# KiCad board rcbus-ymf262-panel.kicad_pcb (continued)
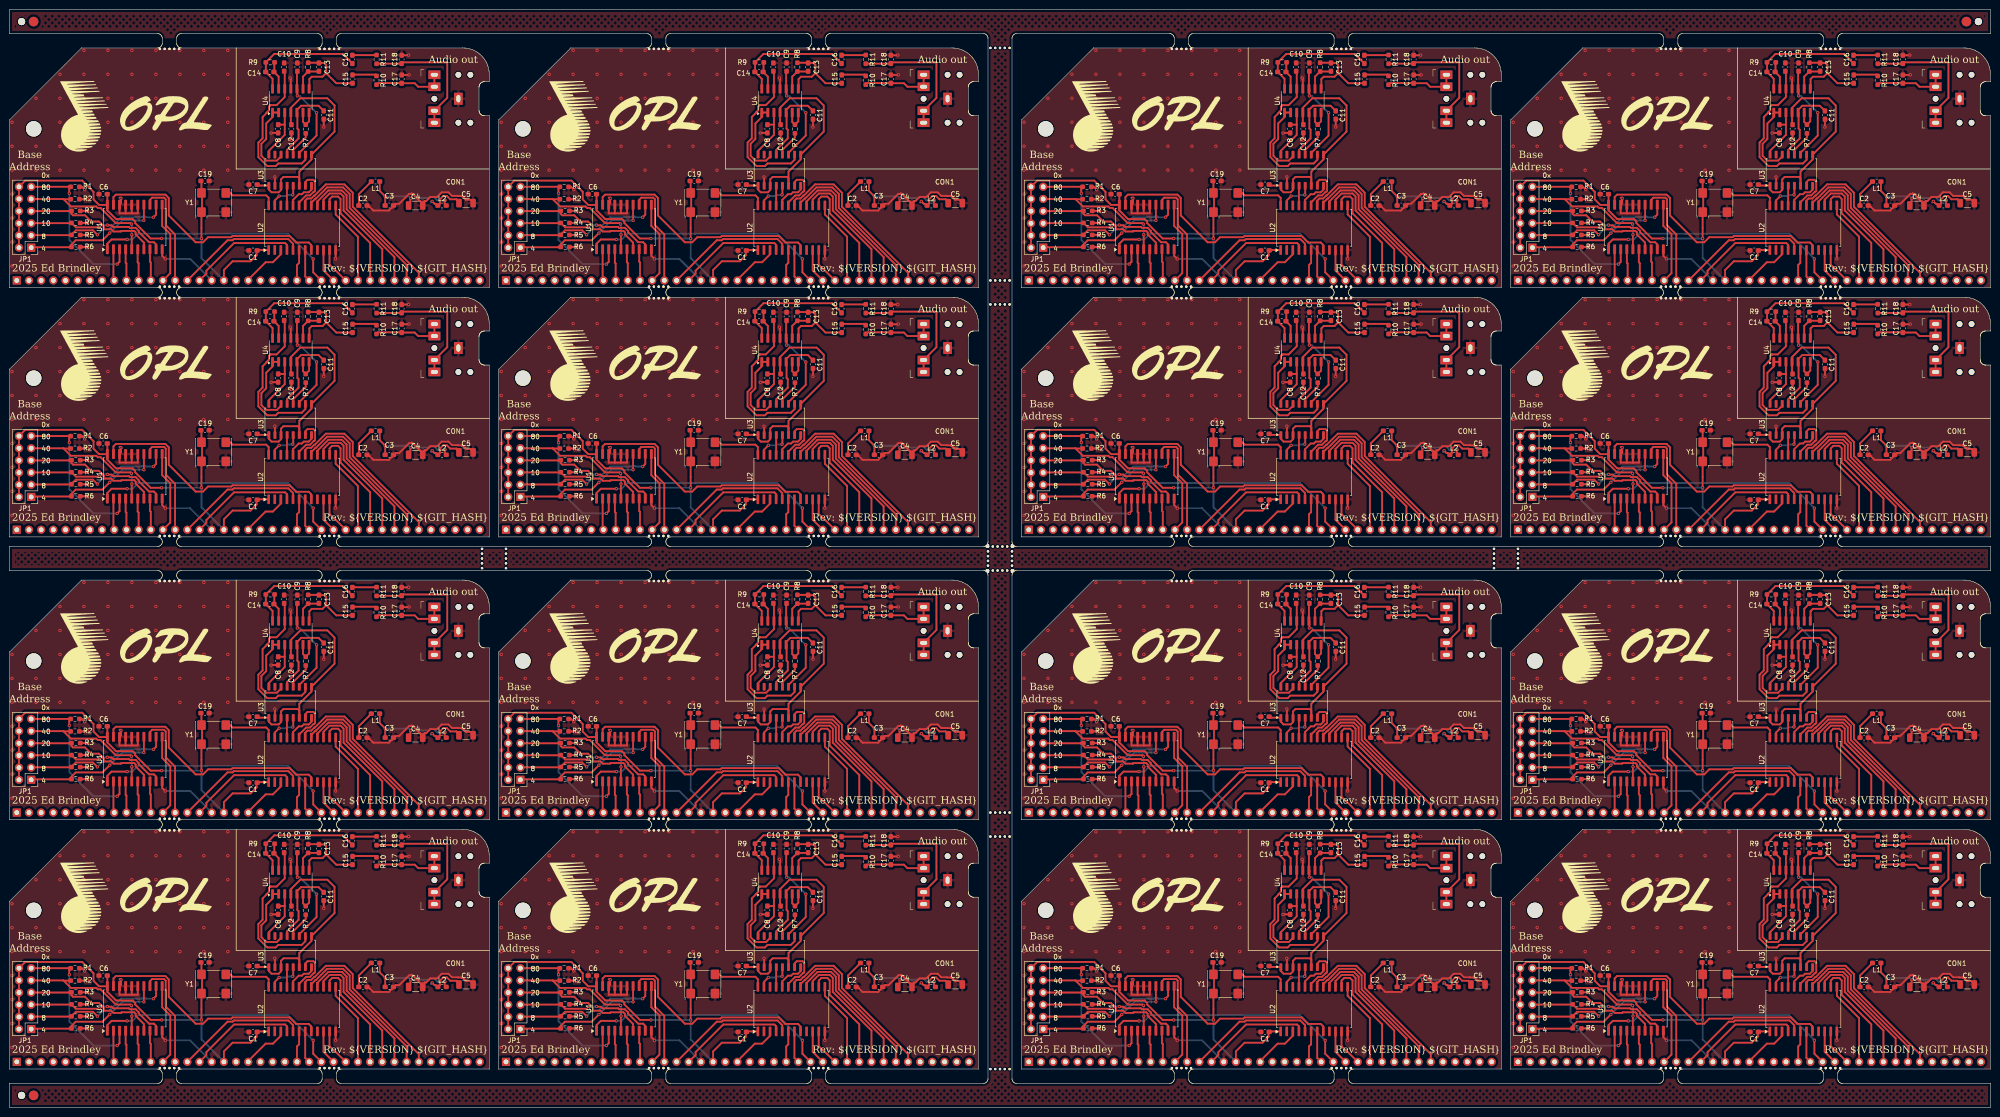
[diagram p0: board, top side]
## Routing (per net, layer and track width the routed paths; a pad name or vN(x,y) marks a point on that pad's centre or on a via; arc(x,y) is an arc through that point) (continued)
Board_2-+5VA: length 56.5
  Front w0.381: C12#2.1 269.64,205.11 U4.4 269.64,208.52 271.61,210.5 277.25,210.5 278.75,209 278.75,203.56 U3#4.9 273.95,197.75 271.4,195.21 U3#4.6 271.4,193.8 271.11,194.1 268.1,194.1 267.6,193.6 U3#4.3 267.6,191.38 267.1,190.89 265.62,190.89 265.05,191.45 U3#4.1 265,192.3 262.81,192.3 C7#3.1 ; C5#5.1 304.16,189.42 304.16,189.43 302.87,189.43 302.17,190.12 301.42,190.12 300.72,189.42 300.72,188.57 300.71,188.56 L2#4.1 299.81,188.5 299.59,188.5 v1(299.1,189)
  Back w0.381: v1(299.1,189) 298.82,188.72
Board_2-/A0: length 23
  Front w0.381: P1#5.16 252.02,173.92 252.02,174.52 257.8,180.3 268.45,180.3 268.83,179.93 U2.4
Board_2-/A1: length 27.3
  Front w0.381: P1#5.15 256.45,180.89 257.49,180.89 257.74,181.14 269.12,181.14 270.1,180.16 U2.5
Board_2-/A2: length 22.4
  Front w0.381: U1#14.13 240.27,189.33 240.72,189.77 243.21,189.77 243.56,189.43 243.56,184.04 245.5,182.09 245.5,172.52 P1#5.14
Board_2-/A3: length 17.1
  Front w0.381: P1#5.13 244.5,174.02 244.5,182.19 242.8,183.89 242.8,188.29
Board_2-/A4: length 6.6
  Front w0.381: P1#5.12 240.44,176.26 240.27,176.43 240.27,178.94 240.3,178.97
Board_2-/A5: length 6.6
  Front w0.381: P1#5.11 237.9,176.1 237.7,176.3 237.7,178.97
Board_2-/A6: length 6.6
  Front w0.381: P1#5.10 235.36,176.04 235.2,176.2 235.2,178.99
Board_2-/A7: length 6.6
  Front w0.381: P1#5.9 232.65,172.67 U1#14.2
Board_2-/AUDIO_CH1: length 33.2
  Front w0.381: C10#12.1 268.37,216.02 U4.12 268.37,210.77 266.67,209.07 265.44,209.07 265.44,209.07 265.41,209.07 265.41,209.06 265.38,209.06 265.37,209.05 265.36,209.05 265.34,209.03 265.33,209.03 265.08,208.78 265.08,208 264.6,207.52 264.6,207.48 264.59,207.47 264.59,207.44 263.75,206.59 263.75,202.15 262.87,201.26 262.87,198.24 264.74,196.37 266.48,196.37 267.02,196.9 271.9,196.9 272.67,197.68 U3#4.10
Board_2-/AUDIO_CH2: length 20.9
  Front w0.381: C9#8.1 270.91,216.05 U4.10 271,212.38 v1(271,211) ; v1(275,207.5) 275,202.72 271.4,199.13 U3#4.11
  Back w0.381: v1(271,211) 271.5,211 v1(275,207.5)
Board_2-/CLK: length 10.9
  Front w0.381: 256.38,191.35 257.48,190.25 264.5,190.25 265.01,189.74 U2.24
Board_2-/D0: length 7.2
  Front w0.381: P1#5.27 276.45,174.6 U2.10
Board_2-/D1: length 7.8
  Front w0.381: 277.7,178.84 277.7,175.79 278.67,174.81 278.77,174.81 P1#5.28
Board_2-/D2: length 17.6
  Front w0.381: P1#5.29 283.62,181.63 278.99,186.27 U2.13
Board_2-/D3: length 23.6
  Front w0.381: U2.14 277.72,189.47 278.25,190 279.5,190 280,189.5 280,186.5 286.16,180.34 P1#5.30
Board_2-/D4: length 27
  Front w0.381: U2.15 276.45,189.35 277.73,190.64 280.01,190.64 280.63,190.01 280.63,187.1 288.7,179.03 P1#5.31
Board_2-/D5: length 30.2
  Front w0.381: U2.16 275.17,188.98 277.46,191.27 280.28,191.27 281.27,190.28 281.27,187.36 291.24,177.39 P1#5.32
Board_2-/D6: length 33.4
  Front w0.381: P1#5.33 293.78,175.75 281.91,187.62 281.91,190.54 280.54,191.91 277.2,191.91 274.89,189.6 274.79,189.6 273.9,188.71 U2.17
Board_2-/D7: length 37
  Front w0.381: P1#5.34 296.32,174.11 282.54,187.89 282.54,190.8 280.8,192.54 276.94,192.54 274.63,190.23 274.52,190.23 273.89,189.6 273.08,189.6 272.63,189.15 U2.18
Board_2-/DAC_CLK: length 7.2
  Front w0.381: v1(267.2,190.1) 266.28,189.19 U2.23 ; U3#4.5 270.13,190.45 v1(270.04,190.36)
  Back w0.381: v1(270.04,190.36) 269.98,190.3 268.93,190.3 268.73,190.1 v1(267.2,190.1)
Board_2-/DOAB: length 4.1
  Front w0.381: U2.21 268.83,192.21 U3#4.4
Board_2-/L: length 18.1
  Front w0.381: R8#2.2 275.45,217.91 C13#12.1 276.64,217.86 277,217.5 277,215.75 ; C15.1 279.11,213.64 277,215.75 ; 277,215.75 276.25,215 274,215 273.5,214.5 273.5,212.53 U4.8
Board_2-/R: length 25.7
  Front w0.381: C16#4.1 280.46,219.75 266.17,219.75 R9#4.2 264.42,216.04 C14#2.2 265.83,214.56 U4.14
Board_2-/SMPAC: length 6.7
  Front w0.381: U3#4.8 273.95,191.45 273.38,190.89 272.34,190.89 271.94,190.49 271.28,190.49 270.1,189.3 U2.20
Board_2-/SMPBD: length 10.1
  Front w0.381: U3#4.7 272.67,193.05 273.12,193.5 274.35,193.5 274.69,193.15 274.69,191.2 274.5,191 274.4,191 273.63,190.23 272.82,190.23 271.37,188.78 U2.19
Board_2-/~{CS}: length 51.7
  Front w0.381: U2.8 273.9,179.9 273.38,180.42 270.73,180.42 269.38,181.77 257.47,181.77 257.22,181.52 252.38,181.52 251.33,180.46 249.79,180.46 244.19,186.06 244.19,189.69 243.47,190.41 233.15,190.41 232.65,189.9 U1#14.19
Board_2-/~{IORQ}: length 52.4
  Front w0.381: U1#14.1 231.38,180.17 232.26,181.05 v1(235.5,181.05) ; P1#5.26 274.3,174.2 v1(274.3,177)
  Back w0.381: v1(274.3,177) 269.05,182.25 248.11,182.25 248.08,182.21 247.42,182.21 247.39,182.25 237.8,182.25 236.6,181.05 v1(235.5,181.05)
Board_2-/~{RD}: length 6.7
  Front w0.381: P1#5.25 272.63,173.33 U2.7
Board_2-/~{RESET}: length 9.8
  Front w0.381: 267.5,178.8 267.55,178.74 267.55,177.96 265.9,176.3 264.39,176.3 260.76,172.68
Board_2-/~{WR}: length 6.5
  Front w0.381: U2.6 271.37,176.17 270.92,175.72 P1#5.24
Board_2-GND: length 76.5
  Front w0.381: C17#13.2 294.26,215.36 v1(294.3,215.4) ; R4#8.2 v1(227.2,184.5) ; R5#9.2 227.19,181.99 v1(227.2,182) ; C12#2.2 v1(269.75,201.75) ; U1#14.17 235.19,186.51 235.2,186.5 ; R3#6.2 227.19,187.01 v1(227.2,187) ; C2#7.2 286.06,187.85 286.07,187.85 286.83,187.09 290.11,187.09 290.68,187.66 290.68,187.67 C3#10.2 291.52,188.5 291.53,188.51 292.24,188.51 294.28,190.55 294.68,190.55 294.81,190.67 294.94,190.55 295.04,190.55 296.58,189.01 296.66,189.01 296.68,188.99 C4#11.2 297.52,189.02 297.52,189.03 297.54,189.06 297.87,189.06 298.72,189.91 300.13,189.91 301.1,190.88 302.49,190.88 303.23,190.14 304.45,190.14 304.49,190.11 305.25,190.11 305.26,190.1 305.3,190.1 305.31,190.09 305.35,190.09 305.38,190.06 305.39,190.06 305.42,190.03 305.43,190.03 306.13,189.33 307.08,189.33 C5#5.2 ; U4.11 269.64,214.61 v1(269.5,214.75) ; v1(266.3,194.1) 266.33,194.08 U3#4.2 ; 236.5,186.5 237.73,186.5 237.73,187.84 ; 236.5,186.5 235.2,186.5 ; 236.5,186.5 236.46,186.54 U1#14.16 ; v1(243.46,177) 242.81,177.64 U1#14.10 ; 233.92,187.71 233.92,186.5 235.2,186.5 ; R2#8.2 227.14,189.44 v1(227.2,189.5) ; v1(226.64,191.44) 226.06,192.03 R1#5.2 ; 253.67,172.5 P1#5.17 ; C18#13.2 294.16,219.48 v1(294.2,219.51) ; C8#12.2 265.52,203.28 v1(265.5,203.25) ; R6#4.2 227.18,179.48 v1(227.2,179.5) ; U2.12 v1(278.99,177) ; 233.92,189.77 234.23,189.77 v1(234.23,189.62) 234.23,188.61 U1#14.18 ; C11#7.2 v1(276.5,204.5)
  Back w0.381: v1(243.46,177) 248.64,177 P1#5.17
  vias: v1(211.5,205.5) v1(211.5,200.5) v1(211.5,195.5) v1(211.5,190.5) v1(211.5,185.5) v1(211.5,180.5) v1(211.5,175.5) v1(216.5,210.5) v1(216.5,200.5) v1(216.5,195.5) v1(221.5,215.5) v1(221.5,210.5) v1(221.5,205.5) v1(221.5,200.5) v1(221.5,195.5) v1(226.5,220.5) v1(226.5,215.5) v1(226.5,210.5) v1(226.5,205.5) v1(226.5,200.5) v1(226.5,195.5) v1(231.5,220.5) v1(231.5,215.5) v1(231.5,210.5) v1(231.5,205.5) v1(231.5,200.5) v1(231.5,195.5) v1(236.5,220.5) v1(236.5,215.5) v1(236.5,210.5) v1(236.5,205.5) v1(236.5,200.5) v1(236.5,195.5) v1(241.5,220.5) v1(241.5,215.5) v1(241.5,210.5) v1(241.5,205.5) v1(241.5,200.5) v1(241.5,195.5) v1(246.5,220.5) v1(246.5,215.5) v1(246.5,210.5) v1(246.5,205.5) v1(246.5,200.5) v1(246.5,195.5) v1(251.5,220.5) v1(251.5,215.5) v1(251.5,210.5) v1(251.5,205.5) v1(251.5,200.5) v1(251.5,195.5) v1(256.5,220.5) v1(256.5,215.5) v1(256.5,210.5) v1(256.5,205.5) v1(256.5,200.5) v1(256.5,195.5)
Board_2-Net-(C3-Pad1): length 21.1
  Front w0.381: L2#4.2 301.71,188.6 301.71,189.12 v1(301.79,189.21) ; C4#11.1 294.57,189.02 294.57,189.54 v1(294.66,189.63) ; L1#5.1 288.17,191.18 v1(289.32,190.03) 289.32,188.52 289.41,188.42
  Back w0.381: v1(289.32,190.03) 294.26,190.03 v1(294.66,189.63) 298.44,189.63 298.72,189.91 299.47,189.91 300.18,189.21 v1(301.79,189.21)
Board_2-Net-(C15-Pad2): length 5.1
  Front w0.381: R10#3.1 287.22,215.44 282.58,215.44 C15.2
Board_2-Net-(C16-Pad2): length 4.5
  Front w0.381: 282.75,219.5 287.23,219.5
Board_2-Net-(C17-Pad1): length 15
  Front w0.381: R10#3.2 287.84,213.68 292.5,213.68 292.54,213.64 C17#13.1 295.46,213.64 296.2,212.91 CON1#5.TN CON1#5.T
Board_2-Net-(C18-Pad1): length 28
  Front w0.381: 287.8,217.73 292.45,217.73 ; CON1#5.R CON1#5.RN 302.25,210.59 302.25,218 292.99,218 C18#13.1
Board_2-Net-(JP1-Pin_1): length 28.7
  Front w0.381: U1#14.14 v1(239,185.03) ; 216.16,179.43 223.6,179.43 R6#4.1 223.9,180 224.78,180.88 230.36,180.88 v1(231.87,182.38)
  Back w0.381: v1(231.87,182.38) 234.53,185.05 236.92,185.05 236.94,185.03 v1(239,185.03)
Board_2-Net-(JP1-Pin_3): length 30.8
  Front w0.381: v1(229.31,182.03) 228.39,182.95 224.8,182.95 224.28,182.42 R5#9.1 223.6,181.94 215.56,181.94 JP1#10.3 ; v1(241,185.68) 241.54,186.22 U1#14.12
  Back w0.381: v1(229.31,182.03) 230.45,183.17 231.76,183.17 234.27,185.68 238.54,185.68 238.67,185.81 239.33,185.81 239.46,185.68 v1(241,185.68)
Board_2-Net-(JP1-Pin_5): length 29.4
  Front w0.381: v1(229.68,183.62) 229.64,183.58 224.82,183.58 R4#8.1 223.6,184.45 215.53,184.45 JP1#10.5 ; v1(231.37,184.05) 231.42,184 232.26,184 232.59,183.67 235.87,183.67 236.07,183.47 237.29,183.47 237.92,182.84 237.92,182.63 240.08,180.47 241.09,180.47 241.54,180.03 U1#14.9
  Back w0.381: v1(229.68,183.62) 230.1,184.05 v1(231.37,184.05)
Board_2-Net-(JP1-Pin_7): length 28.1
  Front w0.381: 239,179.6 239,180.4 237.29,182.11 237.29,182.54 236.99,182.84 234.34,182.84 234.21,182.71 232.65,182.71 232.19,183.17 230.71,183.17 230.63,183.25 230.63,183.78 229.62,184.79 228.02,184.79 226.72,186.09 224.21,186.09 223.9,186.4 R3#6.1 223.6,186.96 223.33,186.96 223.33,186.96 JP1#10.7
Board_2-Net-(JP1-Pin_9): length 29.9
  Front w0.381: 215.51,189.49 222.22,189.49 ; 222.22,189.49 222.27,189.44 R2#8.1 ; 222.22,189.49 223.77,187.93 229.08,187.93 229.38,187.63 229.97,187.63 233.14,184.46 236.2,184.46 v1(236.4,184.26) ; U1#14.5 236.46,182.03 v1(236.48,182.05)
  Back w0.381: v1(236.4,184.26) 236.48,184.17 v1(236.48,182.05)
Board_2-Net-(JP1-Pin_11): length 34.5
  Front w0.381: v1(233.44,175.9) 233.92,176.38 U1#14.3 ; R1#5.1 223.43,191.56 223.43,190.71 v1(223.46,190.69) ; 223.43,192.04 JP1#10.11
  Back w0.381: v1(223.46,190.69) 223.46,180.93 228.49,175.9 v1(233.44,175.9)
Board_2-Net-(U3-AOUT): length 16.9
  Front w0.381: C11#7.1 275.42,208.95 271.78,208.95 270.91,208.08 U4.5 271,207.43 271,204.19 271.25,203.94 271.25,202.14 268.87,199.75 U3#4.13
Board_2-Net-(U3-CV): length 11.5
  Front w0.381: C8#12.1 268.37,205 ; 268.37,205 U4.3 ; 268.37,205 268.37,202.86 265.05,199.55 U3#4.16
Board_2-Net-(U3-MP): length 16.3
  Front w0.381: 265.94,207.53 266.99,207.53 ; U3#4.14 267.6,198.37 266.73,197.51 264.5,197.51 263.5,198.5 263.5,201 264.5,202 264.5,205.25 265.83,206.58 U4.1
Board_2-Net-(U3-SWIN): length 5.5
  Front w0.381: U3#4.12 270.13,199.72 272.75,202.34 R7#15.1
Board_2-Net-(U4B--): length 5.6
  Front w0.381: U4.7 273.45,205.7 R7#15.2 272.18,205.57 U4.6
Board_2-Net-(U4C--): length 6.3
  Front w0.381: U4.9 272.18,215.02 273.25,216.09 275.45,216.09 C13#12.2
Board_2-Net-(U4D--): length 6
  Front w0.381: R9#4.1 266.2,217.72 266.2,216.08 C14#2.1 267.1,215.02 U4.13
Board_2-VCC: length 103.5
  Front w0.381: L1#5.2 286,192.7 283.82,190.52 283.82,188.15 C2#7.1 ; C6#8.1 231.38,190.48 U1#14.20 231.38,187.12 233.19,185.31 236.66,185.31 237.18,184.79 237.18,184.48 240.41,181.25 v1(242.71,181.25) ; 231.33,188.26 229.65,188.26 228.5,189.41 228.5,190.98 226.14,193.34 214.26,193.34 JP1#10.12 JP1#10.2 ; U2.1 262.71,178.85 C1.1 262.5,178.75 262.5,177.75 261.25,176.5 257.5,176.5 255.68,174.68 P1#5.18 ; 251.12,191.35 251.12,186.15 251,186.03 v1(251,181.25) ; C19#7.1 251,193.14 Y1#2.4
  Back w0.381: P1#5.18 251,177.18 v1(251,181.25) v1(242.71,181.25)
Board_3-+5VA: length 56.5
  Front w0.381: v1(401.1,189) 401.59,188.5 401.81,188.5 L2#6.1 402.71,188.56 402.72,188.57 402.72,189.42 403.42,190.12 404.17,190.12 404.87,189.43 406.16,189.43 406.16,189.42 C5#8.1 ; C12#3.1 371.64,205.11 U4#9.4 371.64,208.52 373.61,210.5 379.25,210.5 380.75,209 380.75,203.56 U3#3.9 375.95,197.75 373.4,195.21 U3#3.6 373.4,193.8 373.11,194.1 370.1,194.1 369.6,193.6 U3#3.3 369.6,191.38 369.1,190.89 367.62,190.89 367.05,191.45 U3#3.1 367,192.3 364.81,192.3 C7#12.1
  Back w0.381: v1(401.1,189) 400.82,188.72
Board_3-/A0: length 23
  Front w0.381: P1#12.16 354.02,173.92 354.02,174.52 359.8,180.3 370.45,180.3 370.83,179.93 U2#7.4
Board_3-/A1: length 27.3
  Front w0.381: U2#7.5 372.1,180.16 371.12,181.14 359.74,181.14 359.49,180.89 358.45,180.89 P1#12.15
Board_3-/A2: length 22.4
  Front w0.381: P1#12.14 347.5,172.52 347.5,182.09 345.56,184.04 345.56,189.43 345.21,189.77 342.72,189.77 342.27,189.33 U1#5.13
Board_3-/A3: length 17.1
  Front w0.381: P1#12.13 346.5,174.02 346.5,182.19 344.8,183.89 344.8,188.29
Board_3-/A4: length 6.6
  Front w0.381: 342.3,178.97 342.27,178.94 342.27,176.43 342.44,176.26 P1#12.12
Board_3-/A5: length 6.6
  Front w0.381: 339.7,178.97 339.7,176.3 339.9,176.1 P1#12.11
Board_3-/A6: length 6.6
  Front w0.381: 337.2,178.99 337.2,176.2 337.36,176.04 P1#12.10
Board_3-/A7: length 6.6
  Front w0.381: U1#5.2 334.65,172.67 P1#12.9
Board_3-/AUDIO_CH1: length 33.2
  Front w0.381: C10#7.1 370.37,216.02 U4#9.12 370.37,210.77 368.67,209.07 367.44,209.07 367.44,209.07 367.41,209.07 367.41,209.06 367.38,209.06 367.37,209.05 367.36,209.05 367.34,209.03 367.33,209.03 367.08,208.78 367.08,208 366.6,207.52 366.6,207.48 366.59,207.47 366.59,207.44 365.75,206.59 365.75,202.15 364.87,201.26 364.87,198.24 366.74,196.37 368.48,196.37 369.02,196.9 373.9,196.9 374.67,197.68 U3#3.10
Board_3-/AUDIO_CH2: length 20.9
  Front w0.381: v1(377,207.5) 377,202.72 373.4,199.13 U3#3.11 ; C9#15.1 372.91,216.05 U4#9.10 373,212.38 v1(373,211)
  Back w0.381: v1(377,207.5) 373.5,211 v1(373,211)
Board_3-/CLK: length 10.9
  Front w0.381: 358.38,191.35 359.48,190.25 366.5,190.25 367.01,189.74 U2#7.24
Board_3-/D0: length 7.2
  Front w0.381: P1#12.27 378.45,174.6 U2#7.10
Board_3-/D1: length 7.8
  Front w0.381: 379.7,178.84 379.7,175.79 380.67,174.81 380.77,174.81 P1#12.28
Board_3-/D2: length 17.6
  Front w0.381: U2#7.13 380.99,186.27 385.62,181.63 P1#12.29
Board_3-/D3: length 23.6
  Front w0.381: P1#12.30 388.16,180.34 382,186.5 382,189.5 381.5,190 380.25,190 379.72,189.47 U2#7.14
Board_3-/D4: length 27
  Front w0.381: U2#7.15 378.45,189.35 379.73,190.64 382.01,190.64 382.63,190.01 382.63,187.1 390.7,179.03 P1#12.31
Board_3-/D5: length 30.2
  Front w0.381: P1#12.32 393.24,177.39 383.27,187.36 383.27,190.28 382.28,191.27 379.46,191.27 377.17,188.98 U2#7.16
Board_3-/D6: length 33.4
  Front w0.381: U2#7.17 375.9,188.71 376.79,189.6 376.89,189.6 379.2,191.91 382.54,191.91 383.91,190.54 383.91,187.62 395.78,175.75 P1#12.33
Board_3-/D7: length 37
  Front w0.381: P1#12.34 398.32,174.11 384.54,187.89 384.54,190.8 382.8,192.54 378.94,192.54 376.63,190.23 376.52,190.23 375.89,189.6 375.08,189.6 374.63,189.15 U2#7.18
Board_3-/DAC_CLK: length 7.2
  Front w0.381: v1(372.04,190.36) 372.13,190.45 U3#3.5 ; U2#7.23 368.28,189.19 v1(369.2,190.1)
  Back w0.381: v1(369.2,190.1) 370.73,190.1 370.93,190.3 371.98,190.3 v1(372.04,190.36)
Board_3-/DOAB: length 4.1
  Front w0.381: U3#3.4 370.83,192.21 U2#7.21
Board_3-/L: length 18.1
  Front w0.381: C15#7.1 381.11,213.64 379,215.75 ; 379,215.75 378.25,215 376,215 375.5,214.5 375.5,212.53 U4#9.8 ; 379,215.75 379,217.5 378.64,217.86 C13#13.1 377.45,217.91 R8#5.2
Board_3-/R: length 25.7
  Front w0.381: C16#10.1 382.46,219.75 368.17,219.75 R9#12.2 366.42,216.04 C14#11.2 367.83,214.56 U4#9.14
Board_3-/SMPAC: length 6.7
  Front w0.381: U2#7.20 372.1,189.3 373.28,190.49 373.94,190.49 374.34,190.89 375.38,190.89 375.95,191.45 U3#3.8
Board_3-/SMPBD: length 10.1
  Front w0.381: U2#7.19 373.37,188.78 374.82,190.23 375.63,190.23 376.4,191 376.5,191 376.69,191.2 376.69,193.15 376.35,193.5 375.12,193.5 374.67,193.05 U3#3.7
Board_3-/~{CS}: length 51.7
  Front w0.381: U2#7.8 375.9,179.9 375.38,180.42 372.73,180.42 371.38,181.77 359.47,181.77 359.22,181.52 354.38,181.52 353.33,180.46 351.79,180.46 346.19,186.06 346.19,189.69 345.47,190.41 335.15,190.41 334.65,189.9 U1#5.19
Board_3-/~{IORQ}: length 52.4
  Front w0.381: U1#5.1 333.38,180.17 334.26,181.05 v1(337.5,181.05) ; v1(376.3,177) 376.3,174.2 P1#12.26
  Back w0.381: v1(337.5,181.05) 338.6,181.05 339.8,182.25 349.39,182.25 349.42,182.21 350.08,182.21 350.11,182.25 371.05,182.25 v1(376.3,177)
Board_3-/~{RD}: length 6.7
  Front w0.381: U2#7.7 374.63,173.33 P1#12.25
Board_3-/~{RESET}: length 9.8
  Front w0.381: 362.76,172.68 366.39,176.3 367.9,176.3 369.55,177.96 369.55,178.74 369.5,178.8
Board_3-/~{WR}: length 6.5
  Front w0.381: P1#12.24 372.92,175.72 373.37,176.17 U2#7.6
Board_3-GND: length 76.5
  Front w0.381: R6#5.2 329.18,179.48 v1(329.2,179.5) ; 338.5,186.5 338.46,186.54 U1#5.16 ; 338.5,186.5 339.73,186.5 339.73,187.84 ; 338.5,186.5 337.2,186.5 ; C5#8.2 409.08,189.33 408.13,189.33 407.43,190.03 407.42,190.03 407.39,190.06 407.38,190.06 407.35,190.09 407.31,190.09 407.3,190.1 407.26,190.1 407.25,190.11 406.49,190.11 406.45,190.14 405.23,190.14 404.49,190.88 403.1,190.88 402.13,189.91 400.72,189.91 399.87,189.06 399.54,189.06 399.52,189.03 399.52,189.02 C4#7.2 398.68,188.99 398.66,189.01 398.58,189.01 397.04,190.55 396.94,190.55 396.81,190.67 396.68,190.55 396.28,190.55 394.24,188.51 393.53,188.51 393.52,188.5 C3#13.2 392.68,187.67 392.68,187.66 392.11,187.09 388.83,187.09 388.07,187.85 388.06,187.85 C2#3.2 ; U1#5.17 337.19,186.51 337.2,186.5 ; C18#3.2 396.16,219.48 v1(396.2,219.51) ; v1(329.2,189.5) 329.14,189.44 R2#4.2 ; R5#14.2 329.19,181.99 v1(329.2,182) ; v1(367.5,203.25) 367.52,203.28 C8.2 ; v1(329.2,187) 329.19,187.01 R3#15.2 ; U1#5.18 336.23,188.61 v1(336.23,189.62) 336.23,189.77 335.92,189.77 ; U2#7.12 v1(380.99,177) ; U1#5.10 344.81,177.64 v1(345.46,177) ; C17#7.2 396.26,215.36 v1(396.3,215.4) ; C12#3.2 v1(371.75,201.75) ; v1(328.64,191.44) 328.06,192.03 R1#12.2 ; U4#9.11 371.64,214.61 v1(371.5,214.75) ; C11#10.2 v1(378.5,204.5) ; 337.2,186.5 335.92,186.5 335.92,187.71 ; 355.67,172.5 P1#12.17 ; R4#2.2 v1(329.2,184.5) ; v1(368.3,194.1) 368.33,194.08 U3#3.2
  Back w0.381: v1(345.46,177) 350.64,177 P1#12.17
  vias: v1(313.5,205.5) v1(313.5,200.5) v1(313.5,195.5) v1(313.5,190.5) v1(313.5,185.5) v1(313.5,180.5) v1(313.5,175.5) v1(318.5,210.5) v1(318.5,200.5) v1(318.5,195.5) v1(323.5,215.5) v1(323.5,210.5) v1(323.5,205.5) v1(323.5,200.5) v1(323.5,195.5) v1(328.5,220.5) v1(328.5,215.5) v1(328.5,210.5) v1(328.5,205.5) v1(328.5,200.5) v1(328.5,195.5) v1(333.5,220.5) v1(333.5,215.5) v1(333.5,210.5) v1(333.5,205.5) v1(333.5,200.5) v1(333.5,195.5) v1(338.5,220.5) v1(338.5,215.5) v1(338.5,210.5) v1(338.5,205.5) v1(338.5,200.5) v1(338.5,195.5) v1(343.5,220.5) v1(343.5,215.5) v1(343.5,210.5) v1(343.5,205.5) v1(343.5,200.5) v1(343.5,195.5) v1(348.5,220.5) v1(348.5,215.5) v1(348.5,210.5) v1(348.5,205.5) v1(348.5,200.5) v1(348.5,195.5) v1(353.5,220.5) v1(353.5,215.5) v1(353.5,210.5) v1(353.5,205.5) v1(353.5,200.5) v1(353.5,195.5) v1(358.5,220.5) v1(358.5,215.5) v1(358.5,210.5) v1(358.5,205.5) v1(358.5,200.5) v1(358.5,195.5)
Board_3-Net-(C3-Pad1): length 21.1
  Front w0.381: v1(403.79,189.21) 403.71,189.12 403.71,188.6 L2#6.2 ; L1#10.1 390.17,191.18 v1(391.32,190.03) 391.32,188.52 391.41,188.42 ; C4#7.1 396.57,189.02 396.57,189.54 v1(396.66,189.63)
  Back w0.381: v1(391.32,190.03) 396.26,190.03 v1(396.66,189.63) 400.44,189.63 400.72,189.91 401.47,189.91 402.18,189.21 v1(403.79,189.21)
Board_3-Net-(C15-Pad2): length 5.1
  Front w0.381: C15#7.2 384.58,215.44 389.22,215.44 R10#14.1
Board_3-Net-(C16-Pad2): length 4.5
  Front w0.381: 389.23,219.5 384.75,219.5
Board_3-Net-(C17-Pad1): length 15
  Front w0.381: CON1#6.T CON1#6.TN 398.2,212.91 397.46,213.64 C17#7.1 394.54,213.64 394.5,213.68 389.84,213.68 R10#14.2
Board_3-Net-(C18-Pad1): length 28
  Front w0.381: 394.45,217.73 389.8,217.73 ; CON1#6.R CON1#6.RN 404.25,210.59 404.25,218 394.99,218 C18#3.1
Board_3-Net-(JP1-Pin_1): length 28.7
  Front w0.381: v1(333.87,182.38) 332.36,180.88 326.78,180.88 325.9,180 R6#5.1 325.6,179.43 318.16,179.43 ; U1#5.14 v1(341,185.03)
  Back w0.381: v1(341,185.03) 338.94,185.03 338.92,185.05 336.53,185.05 v1(333.87,182.38)
Board_3-Net-(JP1-Pin_3): length 30.8
  Front w0.381: U1#5.12 343.54,186.22 v1(343,185.68) ; v1(331.31,182.03) 330.39,182.95 326.8,182.95 326.28,182.42 R5#14.1 325.6,181.94 317.56,181.94 JP1#15.3
  Back w0.381: v1(343,185.68) 341.46,185.68 341.33,185.81 340.67,185.81 340.54,185.68 336.27,185.68 333.76,183.17 332.45,183.17 v1(331.31,182.03)
Board_3-Net-(JP1-Pin_5): length 29.4
  Front w0.381: v1(331.68,183.62) 331.64,183.58 326.82,183.58 R4#2.1 325.6,184.45 317.53,184.45 JP1#15.5 ; U1#5.9 343.54,180.03 343.09,180.47 342.08,180.47 339.92,182.63 339.92,182.84 339.29,183.47 338.07,183.47 337.87,183.67 334.59,183.67 334.26,184 333.42,184 v1(333.37,184.05)
  Back w0.381: v1(333.37,184.05) 332.1,184.05 v1(331.68,183.62)
Board_3-Net-(JP1-Pin_7): length 28.1
  Front w0.381: JP1#15.7 325.33,186.96 325.33,186.96 325.6,186.96 R3#15.1 325.9,186.4 326.21,186.09 328.72,186.09 330.02,184.79 331.62,184.79 332.63,183.78 332.63,183.25 332.71,183.17 334.19,183.17 334.65,182.71 336.21,182.71 336.34,182.84 338.99,182.84 339.29,182.54 339.29,182.11 341,180.4 341,179.6
Board_3-Net-(JP1-Pin_9): length 29.9
  Front w0.381: 324.22,189.49 325.77,187.93 331.08,187.93 331.38,187.63 331.97,187.63 335.14,184.46 338.2,184.46 v1(338.4,184.26) ; 324.22,189.49 317.51,189.49 ; 324.22,189.49 324.27,189.44 R2#4.1 ; U1#5.5 338.46,182.03 v1(338.48,182.05)
  Back w0.381: v1(338.48,182.05) 338.48,184.17 v1(338.4,184.26)
Board_3-Net-(JP1-Pin_11): length 34.5
  Front w0.381: 325.43,192.04 JP1#15.11 ; v1(335.44,175.9) 335.92,176.38 U1#5.3 ; v1(325.46,190.69) 325.43,190.71 325.43,191.56 R1#12.1
  Back w0.381: v1(335.44,175.9) 330.49,175.9 325.46,180.93 v1(325.46,190.69)
Board_3-Net-(U3-AOUT): length 16.9
  Front w0.381: U3#3.13 370.87,199.75 373.25,202.14 373.25,203.94 373,204.19 373,207.43 U4#9.5 372.91,208.08 373.78,208.95 377.42,208.95 C11#10.1
Board_3-Net-(U3-CV): length 11.5
  Front w0.381: C8.1 370.37,205 ; 370.37,205 U4#9.3 ; 370.37,205 370.37,202.86 367.05,199.55 U3#3.16
Board_3-Net-(U3-MP): length 16.3
  Front w0.381: 368.99,207.53 367.94,207.53 ; U3#3.14 369.6,198.37 368.73,197.51 366.5,197.51 365.5,198.5 365.5,201 366.5,202 366.5,205.25 367.83,206.58 U4#9.1
Board_3-Net-(U3-SWIN): length 5.5
  Front w0.381: R7#13.1 374.75,202.34 372.13,199.72 U3#3.12
Board_3-Net-(U4B--): length 5.6
  Front w0.381: U4#9.6 374.18,205.57 R7#13.2 375.45,205.7 U4#9.7
Board_3-Net-(U4C--): length 6.3
  Front w0.381: U4#9.9 374.18,215.02 375.25,216.09 377.45,216.09 C13#13.2
Board_3-Net-(U4D--): length 6
  Front w0.381: U4#9.13 369.1,215.02 C14#11.1 368.2,216.08 368.2,217.72 R9#12.1
Board_3-VCC: length 103.5
  Front w0.381: 353.12,191.35 353.12,186.15 353,186.03 v1(353,181.25) ; 333.33,188.26 331.65,188.26 330.5,189.41 330.5,190.98 328.14,193.34 316.26,193.34 JP1#15.12 JP1#15.2 ; v1(344.71,181.25) 342.41,181.25 339.18,184.48 339.18,184.79 338.66,185.31 335.19,185.31 333.38,187.12 U1#5.20 333.38,190.48 C6#5.1 ; U2#7.1 364.71,178.85 C1#15.1 364.5,178.75 364.5,177.75 363.25,176.5 359.5,176.5 357.68,174.68 P1#12.18 ; C19#2.1 353,193.14 Y1#14.4 ; L1#10.2 388,192.7 385.82,190.52 385.82,188.15 C2#3.1
  Back w0.381: P1#12.18 353,177.18 v1(353,181.25) v1(344.71,181.25)
Board_4-+5VA: length 56.5
  Front w0.381: C5#2.1 93.16,137.42 93.16,137.43 91.87,137.43 91.17,138.12 90.42,138.12 89.72,137.42 89.72,136.57 89.71,136.56 L2#3.1 88.81,136.5 88.59,136.5 v1(88.1,137) ; C7#16.1 51.81,140.3 54,140.3 U3#15.1 54.06,139.45 54.62,138.89 56.1,138.89 56.6,139.38 U3#15.3 56.6,141.6 57.1,142.1 60.11,142.1 60.4,141.8 U3#15.6 60.4,143.21 62.94,145.75 U3#15.9 67.75,151.56 67.75,157 66.25,158.5 60.61,158.5 58.64,156.52 U4#5.4 58.64,153.11 C12.1
  Back w0.381: v1(88.1,137) 87.82,136.72
Board_4-/A0: length 23
  Front w0.381: U2#14.4 57.82,127.93 57.45,128.3 46.8,128.3 41.02,122.52 41.02,121.92 P1#16.16
Board_4-/A1: length 27.3
  Front w0.381: P1#16.15 45.44,128.89 46.49,128.89 46.74,129.14 58.12,129.14 59.1,128.16 U2#14.5
Board_4-/A2: length 22.4
  Front w0.381: P1#16.14 34.5,120.52 34.5,130.09 32.56,132.04 32.56,137.43 32.21,137.77 29.72,137.77 29.27,137.33 U1#10.13
Board_4-/A3: length 17.1
  Front w0.381: P1#16.13 33.5,122.02 33.5,130.19 31.8,131.89 31.8,136.29
Board_4-/A4: length 6.6
  Front w0.381: 29.3,126.97 29.27,126.94 29.27,124.43 29.44,124.26 P1#16.12
Board_4-/A5: length 6.6
  Front w0.381: 26.7,126.97 26.7,124.3 26.9,124.1 P1#16.11
Board_4-/A6: length 6.6
  Front w0.381: P1#16.10 24.36,124.04 24.2,124.2 24.2,126.99
Board_4-/A7: length 6.6
  Front w0.381: P1#16.9 21.65,120.67 U1#10.2
Board_4-/AUDIO_CH1: length 33.2
  Front w0.381: U3#15.10 61.68,145.68 60.9,144.9 56.02,144.9 55.48,144.37 53.74,144.37 51.87,146.24 51.87,149.26 52.75,150.15 52.75,154.59 53.59,155.44 53.59,155.47 53.6,155.48 53.6,155.52 54.08,156 54.08,156.78 54.33,157.03 54.34,157.03 54.36,157.05 54.37,157.05 54.38,157.06 54.41,157.06 54.41,157.07 54.44,157.07 54.44,157.07 55.67,157.07 57.37,158.77 U4#5.12 57.37,164.02 C10#14.1
Board_4-/AUDIO_CH2: length 20.9
  Front w0.381: v1(60,159) 60,160.38 U4#5.10 59.91,164.05 C9#3.1 ; U3#15.11 60.4,147.13 64,150.72 v1(64,155.5)